# Altium PCB allaki_mezzanine.PcbDoc (part 2 of 3) (continued)
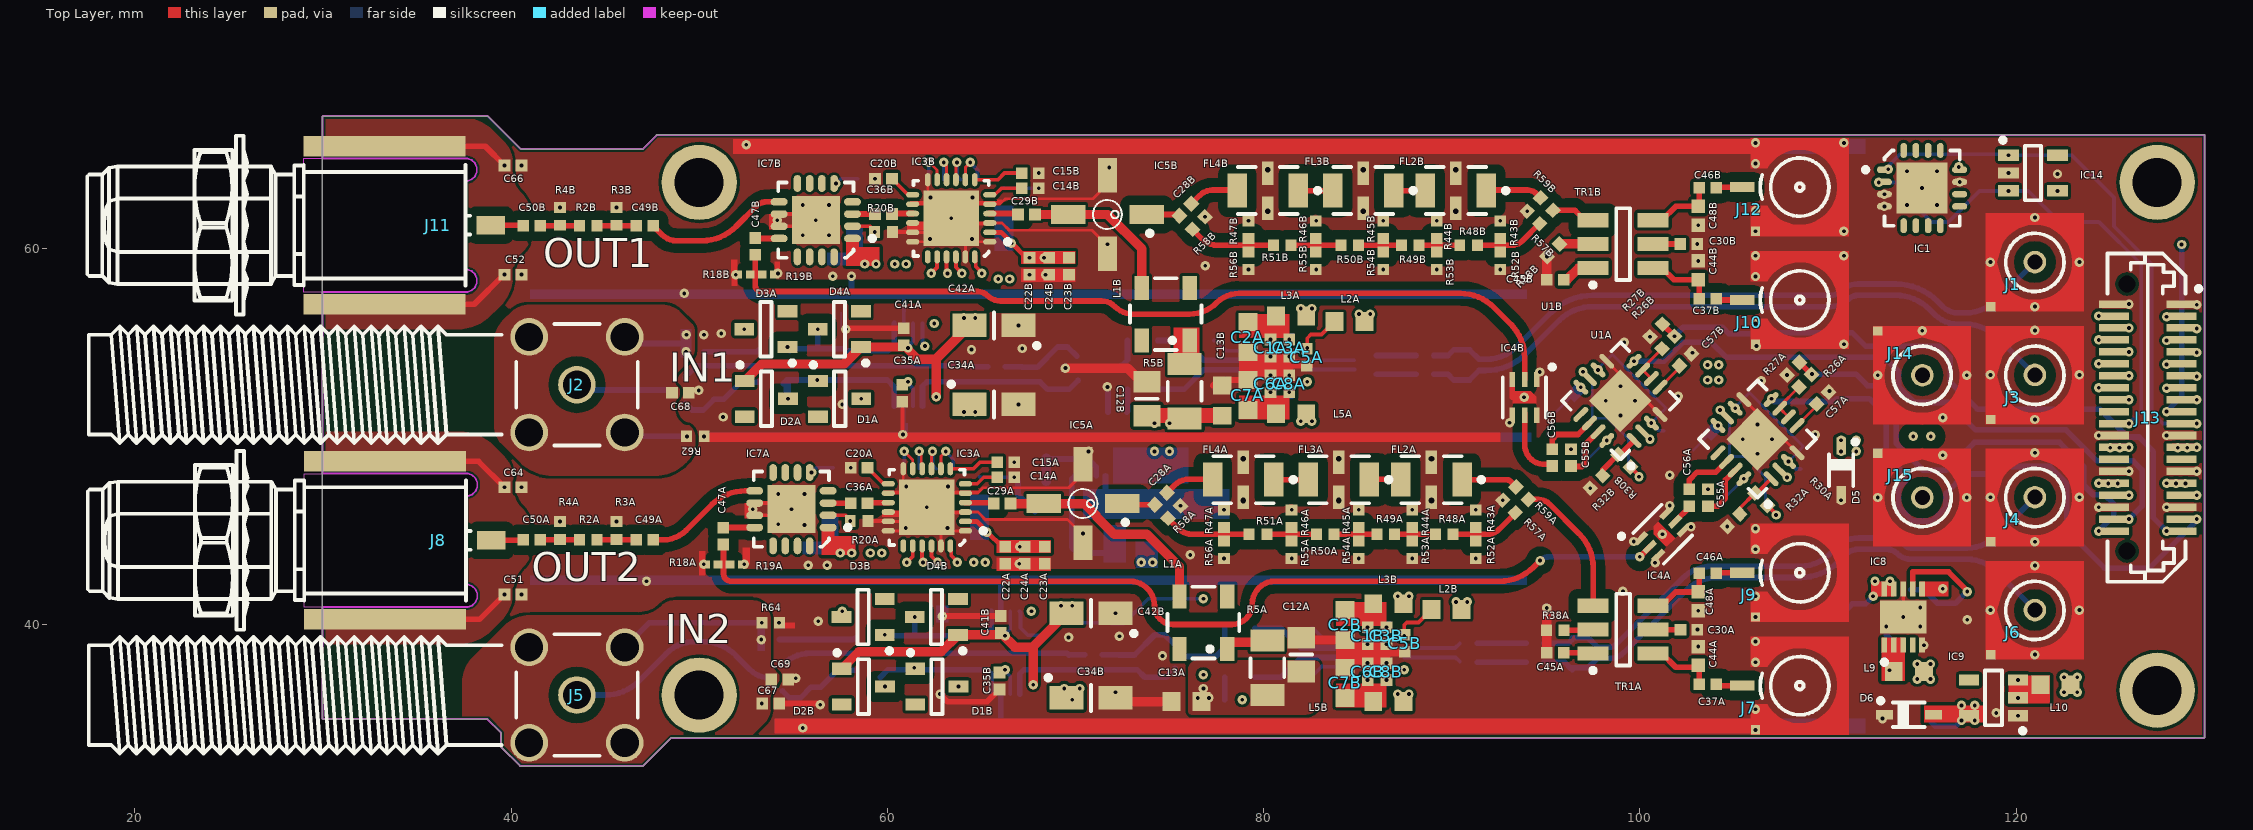
[diagram p0: Top Layer view]
## Nets (pads, with @x,y where several pads share a name; then routed paths per layer and width w, separated by ;. In a path a pad name is that pad's centre, name@x,y a point inside that pad or via, vN(x,y) a via of type N, cw(c..) or ccw(c..) an arc to the next point about the centre after c; other vN are vias at no path point) (continued)
  Top Layer w0.152: IC3A.18@60.05,44.98 60.85,44.98 IC3A.25@61.35,45.48 ; IC3A.17@60.05,45.48 IC3A.25@61.35,45.48 ; IC3A.16@60.05,45.98 IC3A.25@61.85,45.98 ; IC3A.14@60.05,46.98 61.35,46.98 v1(61,47.33) 60.85,47.48 IC3A.12@60.85,48.28 ; IC3B.18@61.347,60.345 62.147,60.345 IC3B.25@62.647,60.845 ; IC3B.17@61.347,60.845 IC3B.25@62.647,60.845 ; IC3B.16@61.347,61.345 IC3B.25@63.147,61.345 ; IC3B.14@61.347,62.345 62.647,62.345 v1(62.297,62.695) 62.147,62.845 IC3B.12@62.147,63.645 ; IC3A.25@61.911,45.873 61.827,45.957 IC3A.25@61.35,45.48 ; v1(62.1,46.23) IC3A.25@62.35,45.98 ; IC3A.25@62.104,46.98 IC3A.5@64.15,46.98 64.795,46.98 65.085,47.27 69.64,47.27 70.4,48.03 IC5A.2@70.4,48.515 ; IC3A.23@62.85,44.18 IC3A.25@62.85,45.48 ; IC3B.25@63.208,61.238 63.124,61.322 IC3B.25@62.647,60.845 ; v1(63.397,61.595) IC3B.25@63.647,61.345 ; IC3B.25@63.401,62.345 IC3B.5@65.447,62.345 65.995,62.345 66.285,62.635 70.937,62.635 71.697,63.395 IC5B.2@71.697,63.88 ; IC3B.23@64.147,59.545 IC3B.25@64.147,60.845 ; IC3A.1@64.15,44.98 63.35,44.98 IC3A.25@62.85,45.48 ; IC3B.1@65.447,60.345 64.647,60.345 IC3B.25@64.147,60.845 ; IC5A.4@70.4,44.345 70.4,44.77 69.58,45.59 65.204,45.59 64.814,45.98 IC3A.3@64.15,45.98 IC3A.25@62.35,45.98 ; IC5B.4@71.697,59.71 71.697,60.135 70.877,60.955 66.481,60.955 66.091,61.345 IC3B.3@65.447,61.345 IC3B.25@63.647,61.345 ; U1B.9@98.242,53.995 98.967,53.27 v1(98.967,52.669) U1B.17@98.967,51.891 100.346,51.891 U1B.4@101.07,51.166 ; U1A.9@105.529,51.957 106.254,51.232 v1(106.254,50.631) U1A.17@106.254,49.854 v1(107.031,49.854) 107.632,49.854 U1A.4@108.357,49.129 ; IC3A.25@62.35,45.98 IC3A.25@62.85,45.48 ; IC3B.25@63.647,61.345 IC3B.25@64.147,60.845
  Top Layer w0.2: IC7A.11@52.95,45.805 54.575,45.805 v1(54.9,46.13) 54.575,46.455 IC7A.10@52.95,46.455 ; IC7B.11@54.247,61.17 55.872,61.17 v1(56.197,61.495) 55.872,61.82 IC7B.10@54.247,61.82 ; R20A.1@58.97,45.5 60.03,45.5 IC3A.17@60.05,45.48 ; R20B.1@60.267,60.865 61.327,60.865 IC3B.17@61.347,60.845 ; v1@60.8,50.13 C35A.1@60.8,51.85 ; v1(114,40.4) IC8.8@114,41.9
  Top Layer w0.3: C67.1@54.25,35.8 56.261,35.8 cw(c56.261,35.561) v1(56.43,35.73) ; v1(57.8,55.7) 57.85,55.75 C41A.1@60.87,55.75 ; v1(62.8,36.3) 63.2,35.9 65.31,35.9 C35B.1@65.96,36.55 ; v1(62.93,40.45) C41B.1@66.03,40.45 ; C13B.1@77.3,52.7 77.6,53 C7A.1@79.17,53 ; IC4B.3@93.225,53.025 93.225,52.075 IC4B.7@93.875,52.075
  Top Layer w0.5: v1(69.468,53.632) 72.768,53.632 73.4,53 C12B.1@73.8,53 ; v1(72.13,36.4) 72.63,35.9 C13A.1@75.1,35.9 ; C12A.1@82,39.3 ccw(c82.125,39.3) 82.125,39.175 C2B.1@84.33,39.175 ; C45A.2@95.05,38.5 v1(95.05,40.879) ; C45B.2@95.05,58.335 95.05,59.55 v1(95.068,59.568)
  Bottom Layer w0.2: v1(60.83,50.1) 60.87,50.14 IC6A.9@60.87,51.6 ; IC6A.2@60.87,56 60.87,57.57 60.9,57.6 60.9,57.5 ; v1(61,47.33) v1(63.225,47.33) ; v1(62.297,62.695) v1(64.522,62.695) ; C21A.1@64.9,47.85 64.92,47.83 v1(66.75,47.83) ; C21B.1@66.197,63.215 66.217,63.195 v1(68.047,63.195)
  Bottom Layer w0.3: v1(58.097,58.515) 58.097,57.603 58.1,57.6 ; 66,34.6 66.03,34.63 IC6B.9@66.03,36.3 ; IC6B.2@66.03,40.7 66.03,42.3 ; C72.1@66.95,47.6 66.95,46.9 C71.1@67.85,46 ; IC10.11@71.6,46.4 IC10.8@71.6,47.9 ; v1(113.1,39.9) 113.1,39.45 C25.1@113.5,39.05
  Bottom Layer w0.33: v1(71.7,52.63) 71.73,52.6 R24A.1@71.73,51.3
  other v1: 106.15,34.4 55.5,34.5 112.9,35 120.1,35.15 118.95,35.3 106.15,35.5 78.87,36 55.134,37.147 76.8,37.33 85.53,37.95 86.53,37.95 106.15,38 74.628,38.332 121,38.4 103.11,38.83 115.1,38.9 85.53,38.95 86.53,38.95 106.15,39.1 69.636,39.316 72.336,39.371 103.06,39.73 114.9,39.9 54.24,40.1 56.33,40.17 117.4,40.25 106.15,40.4 72.13,40.6 103.11,40.73 118.633,40.767 123.367,40.767 114.9,40.9 106.15,41.5 40.55,41.6 99.102,41.771 47.2,42.3 121,43.133 55.8,43.15 56.8,43.15 50.24,43.2 52.4,43.2 67.011,43.23 100.811,43.28 77.899,43.505 81.5,43.505 85.065,43.505 87.903,43.505 91.278,43.505 76.1,43.7 106.15,44 99.68,44.411 121,44.4 101.2,44.8 70.4,44.845 106.15,45.1 60.975,45.13 63.2,45.13 102.72,45.189 104.648,45.208 55.597,45.295 54.203,45.325 42.6,45.47 45.6,45.47 77.9,46.095 81.5,46.095 85.065,46.095 87.903,46.095 91.278,46.095 52.85,46.13 124.4,46.238 128,46.238 75.586,46.309 101.589,46.32 92.714,46.609 110.7,46.6 112.65,46.75 117.383,46.75 118.633,46.767 123.367,46.767 54.203,46.935 55.597,46.935 103.625,47.185 97.362,47.245 40.55,47.3 101.587,47.944 126,48.143 129.6,48.143 58.05,48.33 66.75,48.63 116.1,49 106.254,49.076 121,49.133 70.7,49.2 96.338,49.323 105.476,49.854 50.25,50 124.4,50.048 128,50.048 109.322,50.094 93.075,50.725 121,50.9 116.1,51 51.27,51.03 98.967,51.113 57.6,51.7 66.97,51.7 98.189,51.891 99.745,51.891 93.85,52.075 102.036,52.131 110.083,52.41 49.974,52.447 106.459,52.958 80.37,53.25 81.37,53.25 112.65,53.25 117.383,53.25 107.823,53.262 118.633,53.267 123.367,53.267 94.675,53.425 80.37,54.25 81.37,54.25 102.796,54.447 64.476,54.616 67.176,54.671 106.2,54.8 110.85,54.9 99.172,54.995 100.536,55.299 50.25,55.4 51.17,55.47 115.017,55.617 121,55.633 66.97,55.9 106.15,56 121,56.9 129.6,57 126,57.033 49.2,57.6 106.15,58.5 57.097,58.515 40.555,58.6 51.945,58.597 67.558,58.595 68.408,58.595 54.185,58.665 79.197,58.87 82.797,58.87 86.363,58.87 89.2,58.87 92.575,58.87 76.897,59.065 118.633,59.267 123.367,59.267 103.107,59.325 106.15,59.6 110.85,59.6 71.697,60.21 103.057,60.225 62.272,60.495 64.497,60.495 55.5,60.69 56.895,60.69 106.15,60.9 110.85,60.9 103.107,61.225 79.197,61.46 82.797,61.46 86.363,61.46 89.2,61.46 92.575,61.46 54.147,61.495 121,61.633 76.883,61.674 94.011,61.974 106.15,62 42.6,62.165 45.6,62.165 113,62.225 55.5,62.3 56.895,62.3 114.2,62.3 115.8,62.3 113,62.875 115,63.2 117,63.525 59.347,63.695 122.2,63.95 68.047,63.995 119.6,64 114.2,64.1 115.8,64.1 71.797,64.295 40.55,64.4 106.15,64.5 52.5,65.5 106.15,65.6 110.85,65.6
  other v2: 78.925,46.595 84,46.595 88.925,46.595 78.925,48.805 84,48.805 88.925,48.805 80.222,61.96 85.297,61.96 90.222,61.96 80.222,64.17 85.297,64.17 90.222,64.17
LO_IN_N: J14.1 R17.2 | length 3.5
  MidLayer3 w0.17: v1(114.53,50) 115.017,50.487 J14.1@115.017,53.25
  Bottom Layer w0.3: J14.1@115,53.21 cw(c115.056,53.21) J14.1@115.017,53.25
LO_IN_P: J15.1 R17.1 | length 3.5
  MidLayer3 w0.17: J15.1@115.017,46.75 115.017,49.547 v1(115.47,50)
  Bottom Layer w0.3: J15.1@115,46.79 ccw(c115.056,46.79) J15.1@115.017,46.75
MEZZ_IO2: IC7B.2 J13.5 R20B.2 | length 75
  Top Layer w0.2: IC7B.2@58.147,61.17 59.092,61.17 59.327,60.935 v1(59.327,60.865)
  MidLayer2 w0.17: v1(59.327,60.865) 59.935,60.865 60.1,61.03 64.719,61.03 64.824,60.925 102.051,60.925 102.886,61.76 103.329,61.76 103.654,61.435 117.165,61.435 117.7,60.9 124.3,60.9 125.9,59.3 126.7,59.3 129,57 129,56.33 v1(129.6,55.73)
MEZZ_IO4: IC6A.5 J13.7 | length 71.8
  MidLayer2 w0.17: v1(62.5,56) 62.5,55.836 64.836,53.5 68.843,53.5 69.246,53.097 69.689,53.097 70.092,53.5 77.1,53.5 79.244,51.356 98.453,51.356 98.745,51.648 99.231,51.648 99.523,51.356 103.464,51.356 104.14,52.033 105.291,52.033 105.959,52.701 105.924,52.736 105.924,53.179 106.237,53.493 106.68,53.493 108.387,55.2 109,55.2 110.2,56.4 116.5,56.4 118.05,54.85 122.25,54.85 123.2,55.8 125.163,55.8 125.868,55.095 v1(128,55.095)
MEZZ_IO5: IC6A.4 J13.8 | length 69.4
  MidLayer2 w0.17: v1(62,54.8) 64.502,52.298 69.202,52.298 70,51.5 72.527,51.5 73.325,52.298 76.602,52.298 78.8,50.1 97.866,50.1 98.04,50.274 99.367,50.274 100.318,49.323 103.651,49.323 104.717,50.389 105.74,50.389 106.032,50.096 106.475,50.096 107.008,50.629 112.5,50.629 112.706,50.835 114.635,50.835 116,52.2 118.258,52.2 120.558,54.5 122.8,54.5 123.428,55.128 v1(124.4,55.128)
  Bottom Layer w0.2: v1@61.87,54.73 IC6A.4@61.87,56
MEZZ_IO7: IC7A.2 J13.10 R20A.2 | length 75.7
  Top Layer w0.2: IC7A.2@56.85,45.805 57.795,45.805 58.03,45.57 v1(58.03,45.5)
  MidLayer2 w0.17: v1(58.03,45.5) 60.93,48.4 65.763,48.4 66.528,49.165 69.508,49.165 70.453,48.22 99.56,48.22 99.735,48.395 100.178,48.395 100.583,48.8 104.792,48.8 105.307,48.285 105.75,48.285 105.763,48.272 106.032,48.541 107.013,48.541 108.172,49.7 108.96,49.7 110.147,48.513 112.258,48.513 112.467,48.722 115.689,48.722 115.898,48.513 116.302,48.513 116.511,48.722 116.922,48.722 119.1,50.9 119.9,50.9 120.5,51.5 121.4,51.5 122.3,52.4 122.3,52.957 123.836,54.493 v1(126,54.493)
MEZZ_IO8: IC6B.5 J13.11 | length 71.6
  MidLayer2 w0.17: v1(67.66,40.7) 68.495,41.535 70.052,41.535 70.087,41.5 71.1,41.5 71.75,42.15 72.4,42.15 72.655,42.405 111.325,42.405 112.125,43.205 117.555,43.205 118.114,42.646 125.946,42.646 126.9,43.6 126.9,52.725 v1(128,53.825)
MEZZ_IO10: IC6B.4 J13.13 | length 75.5
  MidLayer2 w0.17: v1(76.8,41.368) 76.8,41.4 77.435,42.035 95.9,42.035 97.135,40.8 102.065,40.8 103.3,42.035 111.478,42.035 112.278,42.835 113.522,42.835 113.527,42.83 117.12,42.83 117.626,42.324 126.224,42.324 127.3,43.4 127.3,50.104 127.778,50.583 128.383,50.583 129.065,51.265 129.065,52.665 129.59,53.19 v1(129.6,53.19)
  Bottom Layer w0.2: IC6B.4@67.03,40.7 67.08,40.65 67.08,39.826 67.476,39.43 68.232,39.43 68.902,40.1 71.852,40.1 71.902,40.05 72.55,40.05 73.868,41.368 v1(76.8,41.368)
MEZZ_IO12: J13.15
  other v1: 128,52.555
MEZZ_IO14: J13.17
  other v1: 129.6,51.953
NetC1A_2: C1A.2 C2A.2 C3A.2 IC2A.5 IC2A.6 IC2A.7 IC2A.8 IC2A.12 L3A.1 | length 6.6
  MidLayer2 w0.5: v1(80.37,55.15) v1(81.37,55.15) 81.848,55.15 82.15,55.452 83.49,55.452 83.872,55.07 83.872,54.53 82.32,52.978 v1(82.32,52.9)
NetC1B_2: C1B.2 C2B.2 C3B.2 IC2B.5 IC2B.6 IC2B.7 IC2B.8 IC2B.12 L3B.1 | length 6.6
  MidLayer2 w0.5: v1(85.53,39.85) v1(86.53,39.85) 87.008,39.85 87.31,40.152 88.65,40.152 89.032,39.77 89.032,39.23 87.48,37.678 v1(87.48,37.6)
NetC4A_1: C4A.1 R21A.2 R42A.2 | length 2.1
  Bottom Layer w0.3: R21A.2@86,53.3 87,53.3 R42A.2@88.1,53.3
NetC4A_2: C4A.2 R10A.2 R40A.2 | length 2.1
  Bottom Layer w0.3: R10A.2@86,54.3 87,54.3 R40A.2@88.1,54.3
NetC4B_1: C4B.1 R21B.2 R42B.2 | length 2.6
  Bottom Layer w0.3: R21B.2@91.36,38 92.6,38 R42B.2@93.96,38
NetC4B_2: C4B.2 R10B.2 R40B.2 | length 2.6
  Bottom Layer w0.3: R10B.2@91.36,39 92.6,39 R40B.2@93.96,39
NetC5A_2: C5A.2 IC2A.9 L2A.2 | length 2.2
  Top Layer w0.2: C5A.2@82.32,54.8 82.32,55.22 82.51,55.41 83.08,55.41 L2A.2@83.77,56.1
  other v1: 82.32,54.7
NetC5B_2: C5B.2 IC2B.9 L2B.2 | length 2.3
  Top Layer w0.2: C5B.2@87.48,39.5 87.48,39.98 87.61,40.11 88.24,40.11 L2B.2@88.93,40.8
  other v1: 87.48,39.4
NetC6A_2: C6A.2 C7A.2 C8A.2 IC2A.13 IC2A.14 IC2A.15 IC2A.16 L5A.2
  other v1: 80.37,52.35 81.37,52.35
NetC6B_2: C6B.2 C7B.2 C8B.2 IC2B.13 IC2B.14 IC2B.15 IC2B.16 L5B.2
  other v1: 85.53,37.05 86.53,37.05
NetC9A_2: C9A.2 C31A.2 D1A.1 D2A.3 IC6A.10 R33A.2 | length 8.2
  Bottom Layer w0.3: R33A.2@54.47,52.8 R33A.2@54.67,53 ; v1(54.72,52) 54.72,52.8 54.72,52.95 R33A.2@54.67,53 ; IC6A.10@60.37,51.6 60.37,52.63 60,53 v1(56.27,53) R33A.2@54.67,53
NetC9B_2: C9B.2 C31B.2 D1B.1 D2B.3 IC6B.10 R33B.2 | length 7.2
  Bottom Layer w0.3: R33B.2@59.63,37.2 60.03,37.6 65.3,37.6 65.53,37.37 IC6B.10@65.53,36.3
  other v1: 59.88,36.7 61.43,37.7
NetC14A_2: C14A.2 IC3A.6 | length 1.8
  Top Layer w0.2: IC3A.6@64.15,47.48 64.78,47.48 65.13,47.83 C14A.2@65.85,47.83
NetC14B_2: C14B.2 IC3B.6 | length 1.8
  Top Layer w0.2: IC3B.6@65.447,62.845 65.714,62.845 66.064,63.195 C14B.2@67.147,63.195
NetC15A_2: C15A.2 IC3A.7 | length 2.6
  Top Layer w0.2: IC3A.7@63.35,48.28 64.58,48.28 64.93,48.63 C15A.2@65.85,48.63
NetC15B_2: C15B.2 IC3B.7 | length 2.6
  Top Layer w0.2: IC3B.7@64.647,63.645 65.877,63.645 66.227,63.995 C15B.2@67.147,63.995
NetC16A_2: C16A.2 IC3A.8 | length 2.1
  Top Layer w0.152: IC3A.8@62.85,48.28 62.85,48.943 v1(63.107,49.2)
  Bottom Layer w0.2: v1(63.107,49.2) 63.107,49.183 63.5,48.79 C16A.2@63.5,48.28
NetC16B_2: C16B.2 IC3B.8 | length 2.1
  Top Layer w0.152: IC3B.8@64.147,63.645 64.147,64.308 v1(64.404,64.565)
  Bottom Layer w0.2: v1(64.404,64.565) 64.404,64.548 64.797,64.155 C16B.2@64.797,63.645
NetC17A_2: C17A.2 IC3A.9 | length 1.9
  Top Layer w0.152: IC3A.9@62.35,48.28 v1@62.35,49.2
  Bottom Layer w0.2: v1(62.4,49.2) 62.4,48.48 C17A.2@62.6,48.28
NetC17B_2: C17B.2 IC3B.9 | length 1.9
  Top Layer w0.152: IC3B.9@63.647,63.645 v1@63.647,64.565
  Bottom Layer w0.2: v1(63.697,64.565) 63.697,63.845 C17B.2@63.897,63.645
NetC18A_2: C18A.2 IC3A.10 | length 1.9
  Top Layer w0.152: v1(61.7,49.2) 61.8,49.1 61.8,48.33 IC3A.10@61.85,48.28
  Bottom Layer w0.2: C18A.2@61.7,48.28 v1(61.7,49.2)
NetC18B_2: C18B.2 IC3B.10 | length 1.9
  Top Layer w0.152: v1(62.997,64.565) 63.147,64.415 IC3B.10@63.147,63.645
  Bottom Layer w0.2: C18B.2@62.997,63.645 v1(62.997,64.565)
NetC19A_2: C19A.2 IC3A.11 | length 2.1
  Top Layer w0.152: v1(60.9,49.2) 61.35,48.75 IC3A.11@61.35,48.28
  Bottom Layer w0.2: C19A.2@60.8,48.28 60.9,48.38 v1(60.9,49.2)
NetC19B_2: C19B.2 IC3B.11 | length 2.1
  Top Layer w0.152: v1(62.197,64.565) 62.235,64.565 62.647,64.153 IC3B.11@62.647,63.645
  Bottom Layer w0.2: C19B.2@62.097,63.645 62.197,63.745 v1(62.197,64.565)
NetC20A_2: C20A.2 IC3A.13 | length 1.5
  Top Layer w0.2: C20A.2@58.95,48.33 59.8,47.48 IC3A.13@60.05,47.48
NetC20B_2: C20B.2 IC3B.13 | length 1.5
  Top Layer w0.2: C20B.2@60.247,63.695 61.097,62.845 IC3B.13@61.347,62.845
NetC21A_2: C21A.2 C22A.2 C23A.2 C24A.2 IC3A.2 L7A.2 | length 2.5
  Top Layer w0.254: IC3A.2@64.15,45.48 64.75,45.48 65.315,44.915 C22A.2@66.1,44.13
  other v1: 67.036,44.13 65.3,44.9
NetC21B_2: C21B.2 C22B.2 C23B.2 C24B.2 IC3B.2 L7B.2 | length 2.5
  Top Layer w0.254: IC3B.2@65.447,60.845 66.047,60.845 66.612,60.28 C22B.2@67.397,59.495
  other v1: 67.558,59.495 68.333,59.495 66.597,60.265
NetC25_2: C25.2 IC8.1 IC8.2 IC8.3 IC8.6 L9.2 | length 8.3
  MidLayer2 w0.17: v1(113.275,37.575) 113.325,37.575 114.335,36.565 115.672,36.565 116.1,36.993 v1(116.1,41.9)
NetC26_2: C26.2 IC8.7 R39.2 | length 7.8
  Top Layer w0.3: IC8.7@114.5,41.9 114.5,42.8 116.416,42.8 117.4,41.816 v1(117.4,41.75)
  Bottom Layer w0.3: R39.2@114.4,41.85 115.1,41.85 115.816,41.134 116.784,41.134 v1(117.4,41.75)
NetC27_2: C27.2 IC9.2 IC9.3 L10.2
  other v1: 120.1,36.1 120.1,37.05
NetC28A_1: C28A.1 FL4A.3 | length 2.7
  Top Layer w0.3: C28A.1@74.865,47.002 75.263,47.4 cw(c76.059,46.603) 76.059,47.73 FL4A.3@77.3,47.73
NetC28A_2: C28A.2 IC5A.1 | length 2
  Top Layer w0.3: IC5A.1@72.35,46.365 72.485,46.365 IC5A.1@72.55,46.365 ; IC5A.1@72.485,46.43 IC5A.1@72.55,46.365 ; C28A.2@74.228,46.365 IC5A.1@72.55,46.365
NetC28B_1: C28B.1 FL4B.3 | length 2.7
  Top Layer w0.3: C28B.1@76.162,62.367 76.595,62.8 ; 76.596,62.8 cw(c77.307,62.088) 77.307,63.095 FL4B.3@78.597,63.095
NetC28B_2: C28B.2 IC5B.1 | length 2.1
  Top Layer w0.3: IC5B.1@73.647,61.73 73.782,61.73 73.847,61.73 IC5B.1@73.782,61.795 75.461,61.795 C28B.2@75.526,61.73
NetC29A_1: C29A.1 IC5A.3 L1A.3 | length 12
  Top Layer w0.5: C29A.1@66.55,46.43 IC5A.3@68.315,46.43 70.47,46.43 71.12,45.78 71.12,45.734 72.054,44.8 73.8,44.8 75.53,43.07 L1A.3@75.53,41.494
NetC29A_2: C29A.2 IC3A.4 | length 1.4
  Top Layer w0.3: IC3A.4@64.15,46.48 C29A.2@65.6,46.48
NetC29B_1: C29B.1 IC5B.3 L1B.3 | length 8.5
  Top Layer w0.5: C29B.1@67.847,61.795 IC5B.3@69.612,61.795 71.705,61.795 73.53,59.97 L1B.3@73.53,57.894
NetC29B_2: C29B.2 IC3B.4 | length 1.4
  Top Layer w0.3: IC3B.4@65.447,61.845 C29B.2@66.897,61.845
NetC30A_2: C30A.2 TR1A.5 | length 1.5
  Top Layer w0.3: TR1A.5@100.7,39.73 C30A.2@102.16,39.73
NetC30B_2: C30B.2 TR1B.5 | length 1.5
  Top Layer w0.3: TR1B.5@100.697,60.225 C30B.2@102.157,60.225
NetC31A_1: C31A.1 C33A.2 D3A.1 D4A.3 IC6A.1 R36A.2 | length 8
  Bottom Layer w0.3: R36A.2@54.72,54.65 R36A.2@54.82,54.55 ; R36A.2@54.82,54.65 56.3,54.65 ; v1(56.3,55.7) 56.3,54.65 ; IC6A.1@60.37,56 60.37,54.9 60.02,54.55 57.77,54.55 57.67,54.65 56.3,54.65
  other v1: 54.7,54.75
NetC31B_1: C31B.1 C33B.2 D3B.1 D4B.3 IC6B.1 R36B.2 | length 7.9
  Bottom Layer w0.3: R36B.2@59.88,39.35 59.93,39.4 61.46,39.4 ; v1(61.46,40.4) 61.46,39.4 ; IC6B.1@65.53,40.7 65.53,39.6 65.33,39.4 61.46,39.4
  other v1: 59.86,39.45
NetC36A_1: C36A.1 IC3A.15 | length 1.1
  Top Layer w0.3: C36A.1@58.95,46.455 58.975,46.48 IC3A.15@60.05,46.48
NetC36A_2: C36A.2 IC7A.3 | length 1.2
  Top Layer w0.3: IC7A.3@56.85,46.455 C36A.2@58.05,46.455
NetC36B_1: C36B.1 IC3B.15 | length 1.1
  Top Layer w0.3: C36B.1@60.247,61.82 60.272,61.845 IC3B.15@61.347,61.845
NetC36B_2: C36B.2 IC7B.3 | length 1.2
  Top Layer w0.3: IC7B.3@58.147,61.82 C36B.2@59.347,61.82
NetC37A_2: C37A.2 C44A.2 TR1A.6 | length 3.7
  Top Layer w0.3: TR1A.6@100.7,38.46 101.18,38.46 101.91,37.73 C44A.2@103.11,37.73 ; C37A.2@103.16,36.83 C44A.2@103.16,37.78
NetC37B_2: C37B.2 C44B.2 TR1B.6 | length 3.6
  Top Layer w0.3: TR1B.6@100.697,58.955 101.177,58.955 101.807,58.325 C44B.2@103.107,58.325 ; C37B.2@103.157,57.325 C44B.2@103.157,58.275
NetC38A_1: C38A.1 C39A.2 C40A.2 IC7A.1 L6A.1
  other v1: 57.5,43.8 58.1,43.8
NetC38B_1: C38B.1 C39B.2 C40B.2 IC7B.1 L6B.1
  other v1: 58.797,59.165 59.397,59.165
NetC45A_1: C45A.1 TR1A.1 | length 1.6
  Top Layer w0.3: C45A.1@95.95,38.5 97.48,38.5 TR1A.1@97.52,38.46
NetC45B_1: C45B.1 TR1B.1 | length 1.8
  Top Layer w0.5: C45B.1@95.95,58.335 96.135,58.335 96.755,58.955 TR1B.1@97.517,58.955
NetC46A_2: C46A.2 C48A.1 TR1A.4 | length 3.7
  Top Layer w0.3: TR1A.4@100.7,41 101.18,41 101.91,41.73 C48A.1@103.11,41.73 ; C48A.1@103.16,41.78 C46A.2@103.16,42.73
NetC46B_2: C46B.2 C48B.1 TR1B.4 | length 3.7
  Top Layer w0.3: TR1B.4@100.697,61.495 101.177,61.495 101.907,62.225 C48B.1@103.107,62.225 ; C48B.1@103.157,62.275 C46B.2@103.157,63.225
NetC47A_1: C47A.1 IC7A.12 | length 1.7
  Top Layer w0.3: C47A.1@51.27,45.15 51.275,45.155 IC7A.12@52.95,45.155
NetC47B_1: C47B.1 IC7B.12 | length 1.3
  Top Layer w0.3: C47B.1@52.975,60.547 53.002,60.52 IC7B.12@54.247,60.52
NetC49A_1: C49A.1 IC7A.9 | length 6.3
  Top Layer w0.3: C49A.1@47.55,44.5 48.093,44.5 ccw(c48.093,46.207) 49.3,45 50.661,46.361 cw(c52.457,44.565) 52.457,47.105 IC7A.9@52.95,47.105
NetC49A_2: C49A.2 R2A.1 R3A.2 | length 2.1
  Top Layer w0.3: R2A.1@44.57,44.5 45.6,44.5 C49A.2@46.65,44.5
NetC49B_1: C49B.1 IC7B.9 | length 7.7
  Top Layer w0.3: C49B.1@47.55,61.195 48.023,60.722 ccw(c48.8,61.499) 48.8,60.4 50.148,60.4 ccw(c50.148,62.94) 51.944,61.144 53.039,62.239 cw(c53.597,61.68) 53.597,62.47 IC7B.9@54.247,62.47
NetC49B_2: C49B.2 R2B.1 R3B.2 | length 2.1
  Top Layer w0.3: R2B.1@44.57,61.195 45.6,61.195 C49B.2@46.65,61.195
NetC50A_1: C50A.1 R2A.2 R4A.2 | length 2.1
  Top Layer w0.3: C50A.1@41.55,44.5 42.6,44.5 R2A.2@43.63,44.5
NetC50B_1: C50B.1 R2B.2 R4B.2 | length 2.1
  Top Layer w0.3: C50B.1@41.55,61.195 42.6,61.195 R2B.2@43.63,61.195
NetC51_2: C51.2 C64.1 J8.2 R61.2 | length 13.8
  Top Layer w0.3: J8.2@33.3,40.274 38.324,40.274 v1(39.65,41.6) ; J8.2@33.3,48.674 38.276,48.674 v1(39.65,47.3)
NetC52_2: C52.2 C66.1 J11.2 R63.2 | length 13.8
  Top Layer w0.3: J11.2@33.275,57.025 38.04,57.025 C52.2@39.615,58.6 ; J11.2@33.275,65.425 38.625,65.425 v1(39.65,64.4)
  other v1: 39.65,58.6
NetC55A_2: C55A.2 U1A.15 | length 2.8
  Top Layer w0.3: C55A.2@103.625,46.285 104.135,46.285 104.548,46.698 104.548,47.689 U1A.15@105.069,48.21
NetC55B_2: C55B.2 U1B.15 | length 2.8
  Top Layer w0.3: C55B.2@96.338,48.323 96.388,48.373 96.416,48.4 96.926,48.4 97.1,48.574 97.1,49.565 U1B.15@97.782,50.247
NetC56A_1: C56A.1 IC4A.5 | length 1.1
  Top Layer w0.3: IC4A.5@101.872,45.472 102.635,46.235 C56A.1@102.635,46.285
NetC56A_2: C56A.2 U1A.14 | length 2.9
  Top Layer w0.3: C56A.2@102.635,47.185 102.635,47.695 103.04,48.1 104.04,48.1 U1A.14@104.61,48.669
NetC56B_1: C56B.1 IC4B.5 | length 3.9
  Top Layer w0.3: IC4B.5@93.875,51.225 IC4B.5@93.875,51.125 93.875,49.458 ccw(c94.91,49.458) 93.878,49.38 ; 93.878,49.48 ccw(c94.91,49.558) 94.832,48.526 ccw(c94.91,49.558) 94.91,48.523 C56B.1@95.248,48.523 ; C56B.1@95.248,48.423 95.298,48.373 C56B.1@95.348,48.323
NetC56B_2: C56B.2 U1B.14 | length 3
  Top Layer w0.3: C56B.2@95.348,49.223 C56B.2@95.348,49.323 95.348,49.848 95.6,50.1 96.716,50.1 U1B.14@97.323,50.707
NetC57A_1: C57A.1 U1A.5 | length 1.6
  Top Layer w0.152: U1A.5@108.357,50.578 109.393,51.614 C57A.1@109.393,51.72
NetC57B_1: C57B.1 U1B.5 | length 1.6
  Top Layer w0.152: U1B.5@101.07,52.616 102.106,53.652 C57B.1@102.106,53.758
NetC58A_1: C58A.1 C59A.2 C60A.2 C61A.1 C62A.1 L8A.1 U1A.3 U1A.10 | length 7.1
  Bottom Layer w0.152: v1(105.069,51.498) 105.069,51.568 C59A.2@105.822,52.321 107.272,50.872 C60A.2@108.686,49.458 v1(107.898,48.669)
  Bottom Layer w0.2: v1(107.898,48.669) 108.304,48.263 C58A.1@108.552,48.263
NetC58A_2: C58A.2 U1A.2
  other v1: 107.827,47.821
NetC58B_1: C58B.1 C59B.2 C60B.2 C61B.1 C62B.1 L8B.1 U1B.3 U1B.10 | length 7.1
  Bottom Layer w0.152: v1(97.782,53.535) 97.782,53.606 C59B.2@98.535,54.359 C60B.2@101.399,51.495 v1(100.611,50.707)
  Bottom Layer w0.2: v1(100.611,50.707) 101.017,50.3 C58B.1@101.265,50.3
NetC58B_2: C58B.2 U1B.2
  other v1: 100.54,49.858
NetC71_2: C71.2 IC10.1 IC10.2 IC10.3 IC10.6 L4.2 | length 7
  Bottom Layer w0.3: IC10.6@70.6,47.9 69.977,47.9 69.8,47.723 69.8,44.1 70.1,43.8 L4.2@72.2,43.8
NetC72_2: C72.2 IC10.7 R60.2 | length 4.6
  Bottom Layer w0.3: R60.2@68.45,48.85 R60.2@68.5,48.9 68.6,48.8 70.219,48.8 70.417,48.602 70.875,48.602 71.1,48.377 IC10.7@71.1,47.9
  Bottom Layer w0.5: C72.2@68.45,47.6 R60.2@68.45,48.85
NetFL2A_1: FL2A.1 R59A.2 | length 3
  Top Layer w0.3: FL2A.1@90.55,47.7 92.896,47.7 cw(c92.896,47.359) 93.137,47.6 R59A.2@93.421,47.316
NetFL2A_3: FL2A.3 FL3A.1 | length 1.7
  Top Layer w0.3: FL3A.1@85.625,47.7 85.655,47.73 FL2A.3@87.3,47.73
NetFL2B_1: FL2B.1 R59B.2 | length 3
  Top Layer w0.3: FL2B.1@91.847,63.095 94.029,63.095 cw(c94.029,62.429) 94.499,62.9 R59B.2@94.719,62.681
NetFL2B_3: FL2B.3 FL3B.1 | length 1.7
  Top Layer w0.3: FL3B.1@86.922,63.065 88.567,63.065 88.582,63.08 FL2B.3@88.597,63.095
NetFL3A_3: FL3A.3 FL4A.1 | length 1.8
  Top Layer w0.3: FL4A.1@80.55,47.7 FL3A.3@82.375,47.7
NetFL3B_3: FL3B.3 FL4B.1 | length 1.8
  Top Layer w0.3: FL4B.1@81.847,63.065 FL3B.3@83.672,63.065
NetIC2A_1: IC2A.1 R22A.2 | length 2.3
  Bottom Layer w0.2: R22A.2@77.37,52.5 77.961,53.091 78.003,53.05 IC2A.1@79.42,53.05
NetIC2A_2: IC2A.2 R13A.2 R22A.1 | length 5.5
  Bottom Layer w0.3: R13A.2@74.37,52.5 R22A.1@75.77,52.5 76.82,53.55 IC2A.2@79.42,53.55
NetIC2A_3: IC2A.3 R1A.1 R9A.2 | length 5.5
  Bottom Layer w0.3: R9A.2@74.37,55.1 R1A.1@75.77,55.1 76.82,54.05 IC2A.3@79.42,54.05
NetIC2A_4: IC2A.4 R1A.2 | length 2.3
  Bottom Layer w0.2: R1A.2@77.37,55.1 77.47,55.1 78.011,54.559 78.003,54.55 IC2A.4@79.42,54.55
NetIC2A_10: IC2A.10 R10A.1 R41A.1 | length 2.5
  Bottom Layer w0.2: IC2A.10@82.32,54.05 84.1,54.05 R10A.1@84.82,54.05
NetIC2A_11: IC2A.11 R21A.1 R41A.2 | length 2.5
  Bottom Layer w0.2: IC2A.11@82.32,53.55 84.1,53.55 R21A.1@84.85,53.55
NetIC2B_1: IC2B.1 R22B.2 | length 2.3
  Bottom Layer w0.2: R22B.2@82.53,37.2 83.121,37.791 83.163,37.75 IC2B.1@84.58,37.75
NetIC2B_2: IC2B.2 R13B.2 R22B.1 | length 5.5
  Bottom Layer w0.3: R13B.2@79.53,37.2 R22B.1@80.93,37.2 81.98,38.25 IC2B.2@84.58,38.25
NetIC2B_3: IC2B.3 R1B.1 R9B.2 | length 5.5
  Bottom Layer w0.3: R9B.2@79.53,39.8 R1B.1@80.93,39.8 81.98,38.75 IC2B.3@84.58,38.75
NetIC2B_4: IC2B.4 R1B.2 | length 2.3
  Bottom Layer w0.2: R1B.2@82.53,39.8 82.63,39.8 83.171,39.259 83.163,39.25 IC2B.4@84.58,39.25
NetIC2B_10: IC2B.10 R10B.1 R41B.1 | length 3.1
  Bottom Layer w0.2: IC2B.10@87.48,38.75 89.6,38.75 90.18,38.75 90.425,38.995 R10B.1@90.43,39
NetIC2B_11: IC2B.11 R21B.1 R41B.2 | length 3
  Bottom Layer w0.2: IC2B.11@87.48,38.25 89.6,38.25 90.21,38.25 R21B.1@90.43,38.03
NetIC6A_7: IC6A.7 R12A.1 R68A.1 | length 9.8
  Bottom Layer w0.3: IC6A.7@61.87,51.6 61.87,52.67 62.1,52.9 68.12,52.9 68.52,52.5 69.665,52.5 R12A.1@70.132,52.968
NetIC6B_7: IC6B.7 R12B.1 R68B.1 | length 9.8
  Bottom Layer w0.3: IC6B.7@67.03,36.3 67.03,37.37 67.26,37.6 73.28,37.6 73.68,37.2 74.825,37.2 R12B.1@75.292,37.668
NetIC7A_5: IC7A.5 R23A.2 | length 1.2
  Bottom Layer w0.2: v1(55.975,48.08) 56.225,48.33 R23A.2@57.12,48.33
NetIC7B_5: IC7B.5 R23B.2 | length 1.2
  Bottom Layer w0.2: v1(57.272,63.445) 57.522,63.695 R23B.2@58.417,63.695
NetL1A_1: L1A.1 R5A.2
NetL1B_1: L1B.1 R5B.2
NetR6A_2: R6A.2 R7A.1 R14A.2 R66A.2 | length 16.4
  Bottom Layer w0.3: R6A.2@49.232,53.132 49.85,53.75 64.403,53.75 R14A.2@64.453,53.7 ; R14A.2@64.476,53.676 R14A.2@64.453,53.7 ; R7A.1@65.33,53.7 R14A.2@64.453,53.7
NetR6B_2: R6B.2 R7B.1 R14B.2 R66B.2 | length 16.3
  Bottom Layer w0.3: R6B.2@54.392,37.832 cw(c55.944,36.281) 54.394,37.834 cw(c55.944,36.281) 55.944,38.475 69.538,38.475 R14B.2@69.613,38.4 ; R14B.2@69.636,38.376 R14B.2@69.613,38.4 ; R7B.1@70.49,38.4 R14B.2@69.613,38.4
NetR7A_2: R7A.2 R8A.2 R15A.2 R67A.2 | length 4.5
  Bottom Layer w0.3: R7A.2@66.27,53.7 67.153,53.7 R15A.2@67.176,53.676 67.976,53.676 69.055,54.755 69.58,54.755 R8A.2@70.07,54.265
NetR7B_2: R7B.2 R8B.2 R15B.2 R67B.2 | length 4.5
  Bottom Layer w0.3: R7B.2@71.43,38.4 72.313,38.4 R15B.2@72.336,38.376 73.136,38.376 74.215,39.455 74.74,39.455 R8B.2@75.23,38.965
NetR8A_1: R8A.1 R9A.1 R16A.2 R68A.2 | length 3.3
  Bottom Layer w0.3: R8A.1@70.735,53.6 72.3,53.6 72.77,54.07 R9A.1@72.77,55.1
NetR8B_1: R8B.1 R9B.1 R16B.2 R68B.2 | length 3.3
  Bottom Layer w0.3: R8B.1@75.895,38.3 77.46,38.3 77.93,38.77 R9B.1@77.93,39.8
NetR11A_1: R11A.1 R33A.1 R34A.2 R65A.1 | length 4.7
  Bottom Layer w0.3: R11A.1@49.268,51.768 49.635,51.4 50.22,51.4 50.79,51.97 R34A.2@51.3,51.97 52.2,52.87 53.14,52.87 R33A.1@53.17,52.9
NetR11B_1: R11B.1 R33B.1 R34B.2 R65B.1 | length 4.6
  Bottom Layer w0.3: R11B.1@54.428,36.468 54.795,36.1 55.38,36.1 55.95,36.67 R34B.2@56.46,36.67 57.36,37.57 R33B.1@58.3,37.57
NetR13A_1: R13A.1 R24A.2 | length 1.2
  Bottom Layer w0.3: R24A.2@72.73,51.3 72.77,51.34 R13A.1@72.77,52.5
NetR13B_1: R13B.1 R24B.2 | length 1.2
  Bottom Layer w0.3: R24B.2@77.93,36 R13B.1@77.93,37.2
NetR25A_1: R25A.1 R28A.2 U1A.12 | length 1.8
  Bottom Layer w0.152: R25A.1@102.852,49.281 R28A.2@103.63,50.059 v1(104.15,50.578)
NetR25B_1: R25B.1 R28B.2 U1B.12 | length 1.8
  Bottom Layer w0.152: R25B.1@95.566,51.318 R28B.2@96.343,52.096 v1(96.863,52.616)
NetR26A_1: R26A.1 U1A.6 U1A.7 | length 2.2
  Top Layer w0.152: U1A.6@107.898,51.038 U1A.7@107.438,51.498 107.438,51.604 R26A.1@108.46,52.625